# KiCad board WiRoc_NanoPi.kicad_pcb (continued)
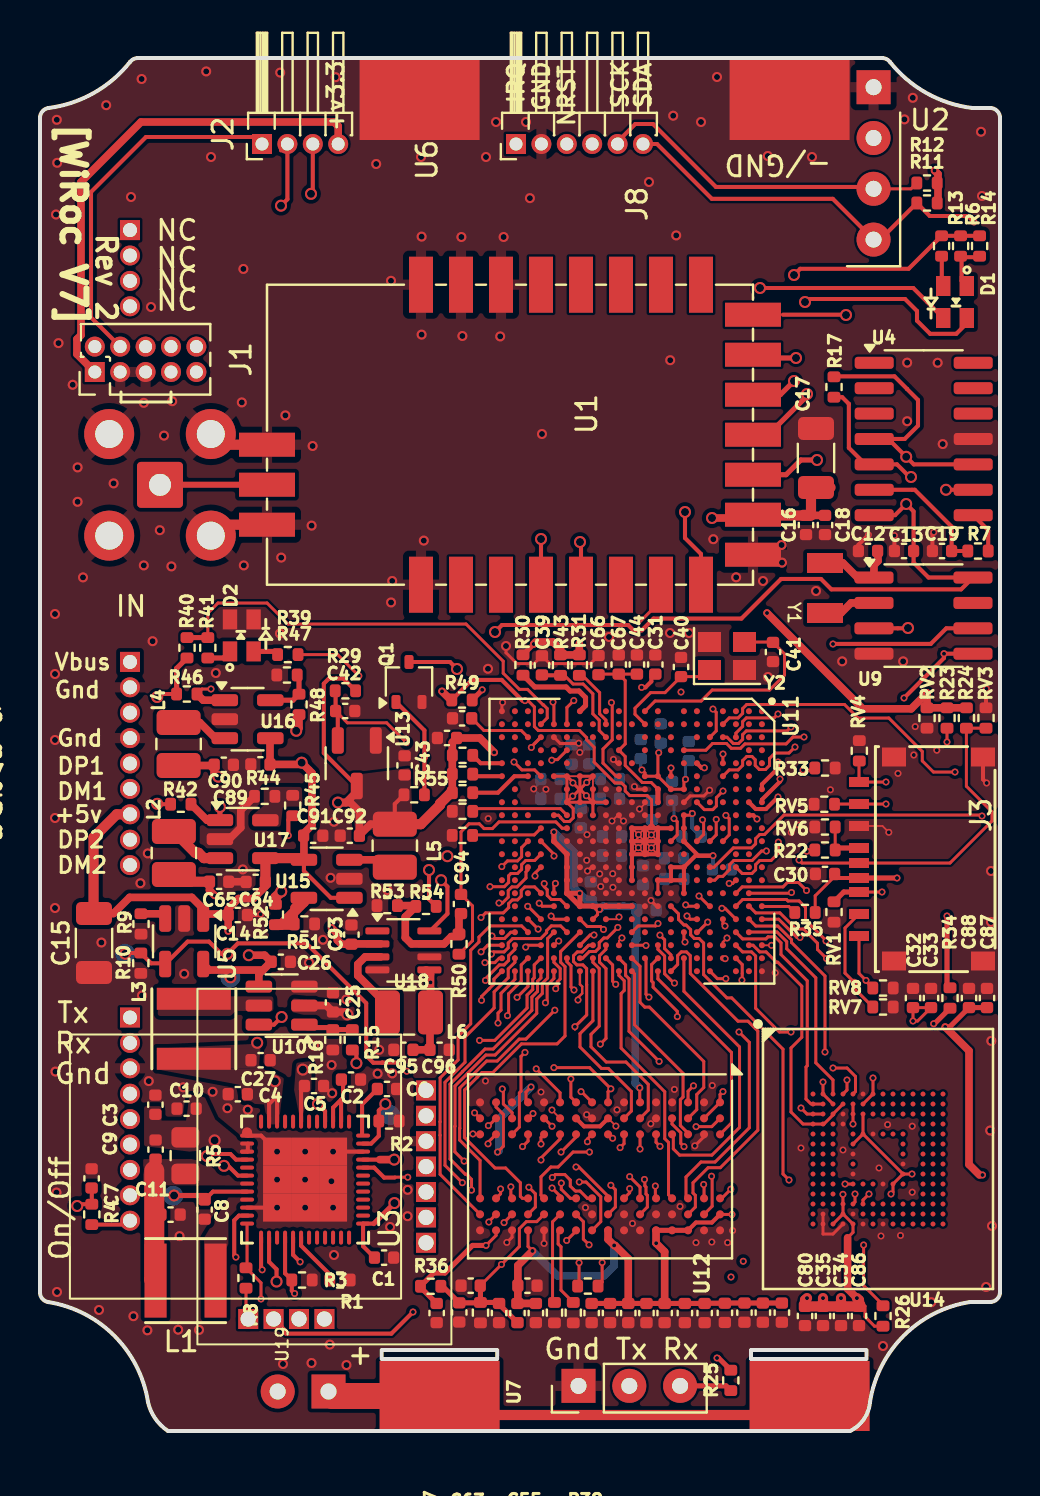
[diagram p0: board, top side]
## Routing (per net, layer and track width the routed paths; a pad name or vN(x,y) marks a point on that pad's centre or on a via; arc(x,y) is an arc through that point) (continued)
VDD1V1-EPHY: length 19.8
  Top w0.15: U11.F8 33.22,31.07 33.64,31.07 33.82,31.25 33.82,31.67 v2(34.15,32)
  Top w0.254: R49.2 22.11,37.05 v2(22.11,37.06)
  In2.Cu w0.254: v2(32.05,36.95) 34.67,34.33 34.67,32.52 v2(34.15,32)
  In4.Cu w0.203: v2(32.05,36.95) 31.93,36.83
  In4.Cu w0.254: v2(22.11,37.06) 22.7,37.65 28.8,37.65 29.82,36.64 31.74,36.64 31.93,36.83
VDD1V2-SYS: length 64.6
  Top w0.09: v2(29.93,29.81) 29.93,29.79 v2(30.57,29.15) ; v2(29.93,29.81) 29.6,30.14 U11.L10 ; v2(29.93,29.81) 29.93,29.82 U11.K10 30.57,29.82 v2(30.57,29.8) ; v2(29.93,29.81) 29.93,29.69 29.73,29.49 ; v2(29.92,29.16) 29.6,28.84 U11.L12 ; v2(29.92,29.16) 29.6,29.48 U11.L11 ; v2(29.92,29.16) 29.92,29.16 U11.K12 30.25,28.84 v2(30.57,29.15) ; v2(29.92,29.16) 30.56,29.8 v2(30.57,29.8) ; U11.J10 30.9,30.13 v2(30.57,29.8) ; v2(30.57,29.15) 30.57,29.16 U11.J11 30.88,29.49 v2(30.57,29.8) ; v2(30.57,29.15) 30.88,28.84 U11.J12
  Top w0.15: 30.58,30.45 30.58,30.33 30.77,30.14 U11.J10 ; 30.58,30.45 30.58,31.55 30.36,31.77 29.49,31.77 29.26,32 29.26,32.22 29.08,32.4 28.75,32.4 27.71,33.44 27.71,34.18 27.33,34.56 27.33,34.67 26.98,35.02 24.92,35.02 24.72,35.22 24.72,36.2 24.4,36.52 v2(24.25,36.52) ; 30.58,30.45 30.58,30.35 30.37,30.14 U11.K10
  Top w0.203: U11.L11 U11.L10 U11.K10 ; U11.L11 U11.L12 ; U11.L11 U11.J11 ; 30.41,28.84 U11.L12 ; 30.41,28.84 U11.K12 U11.K11 U11.K10 ; 30.41,28.84 U11.J12 U11.J11 ; U11.L12 U11.L13 U11.L14 ; v2(24.25,36.52) 24.12,36.52 23.08,37.56 21.6,37.56 R49.1 ; U11.K10 U11.J10 ; U11.J10 U11.H10 ; U11.J10 U11.J11
  Top w0.381: L4.2 8.67,33.28 C90.1 8.71,32.92 v4(8.91,32.72) ; v4(12.81,35.01) 12.95,35.15 R48.2 ; v2(20.1,36.98) 20.53,36.55 R49.1
  In2.Cu w0.203: v2(24.25,36.52) 24.26,36.51 24.93,36.51 25.52,35.92 25.87,35.92 26.18,36.23 26.18,36.65 26.5,36.97 29.17,36.97 29.17,33.44 29.06,33.33 29.06,31.31 v2(30.57,29.8)
  In2.Cu w0.381: v2(20.1,36.98) 17.53,36.98 15.56,35.01 v4(12.81,35.01) 12.81,34.16 11.37,32.72 v4(8.91,32.72)
VDD-CPUFB: length 12.7
  Top w0.12: 20.95,23.95 R50.2
  Top w0.15: U11.T10 26.11,30.14 25.79,30.45 22.95,30.45 22.62,30.12 22.2,30.12 21.96,30.36 21.45,30.36 21.05,29.96 C94.1 21.63,26.25 21.63,24.52 R50.2
  Top w0.381: 20.93,23.79 20.95,23.81 20.95,23.91
VDD-CPUS: length 9.7
  Top w0.15: C66.1 27.96,37.84 C67.1 ; C67.1 29.26,37.52 29.26,34.35 U11.M4 29.26,33.72 29.26,33.28 30.12,32.42 30.56,32.42 U11.J7 ; C67.1 C44.1
  Top w0.254: U11.J8 U11.J7
VDD-CPUX: length 34.8
  Top w0.09: U11.R6 U11.T6 ; U11.P7 U11.P6
  Top w0.15: U11.P8 U11.N8 ; U11.P8 U11.P7 ; U11.P8 27.64,31.44 v2(27.32,31.76) 27.32,31.77 U11.R7 ; U11.P8 U11.P9 ; U11.P8 U11.R8 ; U11.T8 U11.R8 ; U11.T8 26.66,31.12 26.66,30.66 26.48,30.47 26.22,30.47 26.03,30.66 26.03,30.68 25.92,30.79 U11.U9 ; U11.T8 26.35,31.45 v2(26.64,31.74) 26.65,31.74 U11.R7 ; U11.T8 U11.T7 U11.T6 ; U11.R8 U11.R7 ; U11.T6 26.65,32.44 v2(26.65,32.4) 26.96,32.09 U11.R7 ; U11.T6 U11.U6 ; U11.R7 27,32.09 v2(27.34,32.42) 27.34,32.43 U11.P6 U11.R6 U11.R7
  Top w0.381: 19.31,23.06 19.53,22.84 L6.2 19.5,20.91 C96.1 C95.1
  In4.Cu w0.203: 27.32,32.4 v2(26.65,32.4) 26.65,31.75 v2(26.64,31.74) 26.66,31.76 v2(27.32,31.76) 27.32,32.4 ; 27.32,32.4 v2(27.34,32.42)
  In4.Cu w0.381: v2(26.64,31.74) 26.1,31.74 25.52,31.16 24.92,31.16 21.16,27.4 21.16,25.97 19.53,24.34 v2(19.53,22.43)
VDD_5V: length 76.1
  Top w0.203: U17.1 14.54,26.66 13.2,28.01 U17.4
  Top w0.381: v2(14.57,25.16) 14.87,24.86 14.87,24.54 15.07,24.34 C93.1 15.59,24.36 17.03,24.36 ; C15.2 3.67,25.88 4.48,26.68 7.59,26.68 8.16,26.11 U5.1 8.39,25.85 9.27,25.85 ; U17.4 13.2,29.75 C91.1 13.18,29.87 13.6,30.29 13.6,32.9 13.17,33.33 C89.1 11.5,34.62 U16.4 ; C16.1 C18.1 ; U1.10 35.49,45.65 v4(33.6,45.65) ; 38.51,45.81 38.55,45.78 38.53,45.76 ; v2(9.41,25) C14.1 9.41,26.11 9.92,26.62 10.66,26.62 11.27,27.23 C64.1
  Top w0.508: U17.4 13.11,28.64 U15.4 11.27,27.46 C64.1 ; J10.7 3.84,30.84 2.68,29.68 2.68,25.9 C15.2 ; 39.53,47.17 38.8,47.17 38.55,46.92 38.55,45.78 35.69,45.78 U1.10
  In2.Cu w0.381: v2(9.41,25) 9.61,25.2 14.53,25.2 v2(14.57,25.16)
  In4.Cu w0.381: v4(13.08,33.42) 13.08,34.1 13.51,34.52 13.51,36.19 18.97,41.65 30.4,41.65 31.45,42.7 31.45,43.5 v4(33.6,45.65)
VDD_SYS_3.3V: length 302.2
  Top w0.09: U11.G11 32.2,29.58 ; 32.53,30.79 v2(32.62,30.87) ; 24.57,34.19 v2(24.57,34.18)
  Top w0.15: U14.N4 U14.P3 ; U14.N4 U14.P5 40.65,9.93 40.38,9.66 ; U14.N4 U14.M4 40.15,11.35 v2(40.15,11.84) ; U11.G11 U11.G10 U11.G9 32.53,30.79 ; C30.2 39.73,27.73 38.76,26.76 R35.2 ; v2(40.85,6.64) 41.25,6.24 41.25,5.72 41.73,5.24 R26.1 ; U19.1 10.3,5.71 R8.1 ; v2(32.62,30.87) 32.53,30.96 ; U14.J10 U14.K9 42.65,11.95 v2(42.55,11.85) ; U14.J10 v2(43.6,12.85) ; U14.J10 U14.E6 ; 24.71,34.35 U11.V3 24.57,34.21 ; U14.F5 U14.E6 ; U14.E6 U14.C6 ; U11.J6 U11.H7 U11.G7 32.2,32.5 v2(32.28,32.58) ; U11.J6 U11.K6 30.25,32.9 v2(30.1,33.05) ; U11.J6 30.9,33.87 v2(30.94,33.91) ; U11.J14 U11.J15 ; R43.2 26.03,38.97
  Top w0.203: R42.1 5.88,31.34 v4(5.86,31.36) ; U11.G13 32.77,28.76 v2(33.65,28.76) 32.92,28.76 U11.G11 ; U11.G13 U11.G14 ; U11.G13 U11.H13 U11.H14 ; R55.2 17.74,31.35 L5.2 ; U11.G14 U11.H14 ; U11.G14 U11.G15 ; U11.H14 U11.J14 ; v2(30.08,37.18) 30.27,37.18 30.57,37.47 30.57,37.85 ; v4(5.86,36.7) 6.01,36.85 R46.1 ; C30.2 39.93,27.65 J3.4 ; R29.1 15.17,37.62 14.44,37.62 14.19,37.37 14.19,33.9 U13.3 ; 24.27,38.81 24.28,38.8
  Top w0.254: R40.1 6.83,38.13 R46.1 ; R30.2 v2(24.69,39.35) ; v2(45.26,20.2) 45.48,20.2 C88.1 C87.1 ; J3.4 v2(42.85,27.65) ; 46.98,12.8 v2(47.13,12.8)
  Top w0.381: J1.1 1.85,53.84 1.85,54.59 2.05,54.79 2.05,62.45 5.05,65.45 14.7,65.45 14.91,65.24 J2.4 ; R11.2 44.9,61.44 44.9,62.85 v2(44.72,63.03) ; v2(36.35,40.9) 41.14,36.11 43.56,36.11 v2(44.35,36.9) RV2.1 R23.2 R24.2 ; U13.3 15.84,31.96 15.3,31.42 v4(14.9,31.42) 15.52,31.42 15.97,30.97 C92.1 15.97,29.78 16.52,30.34 L5.2 ; v2(45.26,20.2) 46.45,19.01 46.45,13.33 46.98,12.8 ; v2(40.85,6.64) 40.38,7.11 40.38,9.66 ; 10.5,5.79 10.5,5.3 ; R32.2 R27.1 R28.1 20.62,34.44 C71.1 21.99,34.65 v2(22.71,33.93) ; v2(24.69,39.35) 24.79,39.45 25.65,39.45 26.03,39.07 R43.2 R31.2 v2(26.97,39.36)
  Top w0.508: R32.2 20.54,31.91 20,31.37 20,31.3 19.04,30.34 L5.2 ; C34.1 C86.1 40.95,6.54 v2(40.85,6.64) ; C34.1 v2(40.05,6.64) ; C34.1 C35.1 ; C35.1 v2(39.15,6.64) ; C35.1 C80.1 38.25,6.54 v2(38.35,6.64) ; v4(12.06,26.97) 11.77,26.68 R52.2
  In2.Cu w0.15: v2(42.55,11.85) 42.05,11.35 40.45,11.35 40.15,11.65 v2(40.15,11.84)
  In2.Cu w0.203: 14,30.52 13.99,30.53 14,30.54 ; v2(24.69,39.35) 24.57,39.23
  In2.Cu w0.254: 46.92,12.85 46.97,12.8 v2(47.13,12.8)
  In2.Cu w0.381: J2.4 17.51,66.95 39.38,66.95 U2.2 42.58,63.75 44,63.75 v2(44.72,63.03) 45.15,62.6 45.15,61.3 44.29,60.44 44.29,49.36 44.38,49.26 44.38,45.9 43.98,45.5 43.98,40.53 44.35,40.16 v2(44.35,36.9) 44.35,34.43 44.23,34.31 44.23,29.03 v2(42.85,27.65) ; 14,30.52 14,30.09 12.06,28.15 v4(12.06,26.97) ; 14,30.54 14,30.9 14.52,31.42 v4(14.9,31.42) ; v4(5.86,36.7) v4(5.86,31.36) 6.72,30.5 13.96,30.5 13.99,30.53 ; v2(30.94,33.91) 30.08,34.77 v2(30.08,37.18) 27.9,39.36 v2(26.97,39.36) ; 24.57,39.23 23.71,38.37 23.71,35.03 v2(24.57,34.18) 22.96,34.18 v2(22.71,33.93) ; v2(43.6,12.85) 46.92,12.85
  In4.Cu w0.254: 42.69,27.81 v2(42.85,27.65) ; 32.6,30.86 v2(32.62,30.87)
  In4.Cu w0.381: v2(42.85,27.65) 42.85,23.08 45.26,20.68 v2(45.26,20.2) ; 32.6,30.86 32.59,30.84 32.59,29.83 v2(33.65,28.76) 35.79,28.76 36.57,27.99 42.51,27.99 42.69,27.81 ; 6.36,13.06 J4.7 ; 6.36,13.06 7.27,13.06 10.43,9.89 10.43,5.62 U19.1 ; 6.36,13.06 6.36,14.3 8.04,15.98 8.04,17.25 10.05,19.26 10.05,21.4 12.06,23.41 v4(12.06,26.97) ; v2(26.97,39.36) 27.08,39.25 34.7,39.25 v2(36.35,40.9) ; v2(32.28,32.58) 32.62,32.24 v2(32.62,30.87)
  Bottom w0.15: v2(30.94,33.91) 31.04,34.01 C68.1 ; v2(30.1,33.05) 30.04,33.11 C70.1 ; v2(32.28,32.58) 32.28,33.35 C45.1
  Bottom w0.203: v2(32.62,30.87) 32.62,30.16 C69.1 ; C37.1 33.65,28.12 v2(33.65,28.76)
  Bottom w0.254: 32.65,30.84 v2(32.62,30.87)
VINT: length 3.4
  Top w0.203: 15.05,16.57 14.65,16.17 U3.27 ; 15.05,16.57 15.15,16.67 15.15,17.49 C2.1 ; 15.05,16.57 U3.26
 GPIOA10/STATUS-LED: length 35.1
  Top w0.15: v2(15.94,37.76) 14.88,38.82 R39.2 ; v2(33.81,30.58) 33.81,29.8 U11.E11
  In4.Cu w0.15: v2(33.81,30.58) 33.81,30.49 34.12,30.18 36.03,30.18 37.42,31.57 37.42,33.53 32.26,38.69 16.88,38.69 v2(15.94,37.76)
/Processor-MEM/SA0: length 16.8
  Top w0.15: U11.T17 25.71,25.59 v2(25.56,25.74) ; U12.N3 24.4,14.49 v2(24.13,14.22)
  In2.Cu w0.15: v2(24.13,14.22) 24.13,15.15 22.27,17 22.07,17 21.77,17.3 21.77,17.5 21.26,18.02 21.26,22.18 22.07,22.99 22.42,22.99 24.48,25.05 24.48,25.27 24.96,25.74 v2(25.56,25.74)
/Processor-MEM/SA1: length 19.6
  Top w0.09: 25.39,24.63 U11.U18
  Top w0.15: v2(21.21,13.49) 20.74,13.96 20.74,15.23 20.75,15.24 20.75,17.25 21.37,17.87 21.37,17.88 22.29,18.8 22.76,18.8 24.84,20.88 24.84,21.6 25.12,21.88 25.12,22.38 25.38,22.65 25.38,24.62 U11.U18 ; v2(23.54,12.21) 23.54,11.69 U12.P7
  In2.Cu w0.09: v2(21.21,13.49) 21.7,13
  In2.Cu w0.15: 21.7,13 22.75,13 ; 21.7,13 22.75,13 ; 21.7,13 v2(21.21,13.49) ; 22.75,13 v2(23.54,12.21)
/Processor-MEM/SA2: length 11.3
  Top w0.15: v2(24.25,18.93) 24.05,18.73 24.05,16.99 23.97,16.9 23.97,15.2 U12.P3 ; v2(24.29,24.19) 24.38,24.29 U11.V19
  In2.Cu w0.15: v2(24.29,24.19) 23.24,23.15 23.24,21.61 23.87,20.97 23.87,19.31 v2(24.25,18.93)
/Processor-MEM/SA3: length 11.5
  Top w0.12: U12.N2 24.64,15.88 v2(24.65,15.88)
  Top w0.15: U11.V20 24.71,23.3 24.71,22.66 24.64,22.58 24.64,22.08 24.35,21.79 24.35,21.15 22.74,19.53 v2(21.98,19.53)
  In2.Cu w0.15: v2(24.65,15.88) 23.74,15.88 22.69,16.93 22.69,17.28 22.77,17.36 22.77,17.93 21.98,18.72 v2(21.98,19.53)
/Processor-MEM/SA4: length 16.6
  Top w0.09: v2(21.58,12.04) 21.58,12.2 ; U12.P8 23.6,10.82 ; 25.05,22.81 U11.V21
  Top w0.15: v2(23.2,10.42) 23.2,10.43 U12.P8 ; 21.58,12.2 21.58,12.58 21.32,12.84 21.26,12.84 20.5,13.6 20.5,17.34 21.13,17.97 21.13,17.98 22.25,19.1 22.66,19.1 24.59,21.03 24.59,21.7 24.88,21.98 24.88,22.48 25.05,22.65 U11.V21
  In2.Cu w0.15: v2(23.2,10.42) v2(21.58,12.04)
/Processor-MEM/SA5: length 10.7
  Top w0.09: 23.11,16.98 v2(23.11,17.1)
  Top w0.15: U11.Y19 23.75,24.08 23.43,23.77 23.43,23.53 23.21,23.3 22.97,23.3 22.27,22.61 v2(22.27,22.53) ; v2(23.11,17.1) 23.17,17.05 23.17,16.35 23.6,15.92 U12.P2
  In2.Cu w0.15: v2(22.27,22.53) 22.71,22.09 22.71,21.23 22.06,20.58 22.06,20.03 22.18,20.03 22.48,19.74 22.48,19.34 22.6,19.22 22.6,18.5 23.11,17.99 v2(23.11,17.1)
/Processor-MEM/SA6: length 20
  Top w0.09: 22.8,10.85 U12.R8 22.8,10.8 ; 23.75,23.43 U11.Y20 ; v2(21.12,12.41) 20.33,13.2
  Top w0.15: v2(22.44,10.45) 22.44,10.47 U12.R8 ; U11.Y20 23.75,23.43 23.41,23.1 23.41,22.66 22.71,21.96 22.71,21.15 21.25,19.7 21.25,18.44 20.25,17.44 20.25,13.28 v2(21.12,12.41)
  In2.Cu w0.09: v2(21.12,12.41) 21.12,11.74 22.43,10.43
  In2.Cu w0.15: v2(22.44,10.45) 21.12,11.77 v2(21.12,12.41)
/Processor-MEM/SA7: length 16.5
  Top w0.09: U12.R2 22.76,15.63
  Top w0.15: v2(22.05,25.67) 22.28,25.9 23.17,25.9 23.44,26.17 23.43,26.18 23.43,26.37 23.62,26.55 23.88,26.55 24.06,26.74 24.06,27.03 24.24,27.2 24.73,27.2 U11.V15 ; v2(22.42,15.27) 22.44,15.27 U12.R2
  In4.Cu w0.15: v2(22.05,25.67) 22.05,25.24 21.02,24.21 21.02,19.26 21.21,19.07 21.21,17.43 21.23,17.41 21.23,15.71 21.66,15.28 21.82,15.28 21.85,15.25 22.4,15.25 v2(22.42,15.27)
/Processor-MEM/SA8: length 18.3
  Top w0.15: U12.T8 20.01,12.83 20.01,14.78 20,14.79 20,15.46 20.01,15.47 20.01,17.66 20.91,18.56 20.91,19.73 21.54,20.36 21.54,24.04 21.95,24.45 21.95,24.7 22.5,25.25 24.08,25.25 U11.W18
/Processor-MEM/SA9: length 14.8
  Top w0.15: v2(22.4,14.36) 22.4,14.43 U12.R3 ; U11.Y18 23.54,24.94 23.23,24.62 22.73,24.62 v2(22.6,24.75)
  In4.Cu w0.15: v2(22.6,24.75) 23.04,24.31 23.04,22.69 22.38,22.03 21.87,22.03 21.58,21.74 21.58,20.64 22.48,19.74 22.48,18.83 21.69,18.04 21.69,17.63 21.77,17.54 21.77,17.3 22.02,17.05 22.02,16.27 22.84,15.44 22.84,14.8 v2(22.4,14.36)
/Processor-MEM/SA10: length 18.8
  Top w0.09: 26.9,23.95 27.06,23.95 27.4,24.29 U11.P19 ; v2(26.75,20.21) 26.75,20.05 ; 25.97,11.63 U12.L7
  Top w0.12: v2(25.6,12.15) 25.6,12.03
  Top w0.15: v2(26.75,20.21) 27.33,20.8 27.33,22.31 27.33,22.32 27.33,23.12 27.15,23.3 26.84,23.3 26.67,23.47 26.67,23.76 26.87,23.95 27.11,23.95 27.44,24.29 U11.P19 ; U12.L7 26,11.75 v2(25.6,12.15)
  In2.Cu w0.15: v2(25.6,12.15) 25.79,11.96 27.13,11.96 27.92,12.75 27.92,13.29 27.69,13.52 27.3,13.52 26.78,14.04 26.78,16.09 27.48,16.79 27.48,19.48 v2(26.75,20.21)
/Processor-MEM/SA11: length 18.5
  Top w0.15: v2(28.02,19.34) 28.3,19.63 28.3,23.12 27.98,23.44 27.98,23.76 28.3,24.08 U11.N19 ; U12.R7 23.03,11.86 v2(23.03,12.1)
  In2.Cu w0.15: v2(28.02,19.34) 27.82,19.15 27.82,14.2 28.16,13.86 28.16,12.66 27.23,11.72 23.41,11.72 v2(23.03,12.1)
/Processor-MEM/SA12: length 19
  Top w0.15: U12.N7 24.12,11.63 24.02,11.73 24.02,12.41 23.28,13.15 22.75,13.15 21.22,14.68 21.22,15.03 21.23,15.04 21.23,17.05 21.85,17.67 21.85,17.68 22.1,17.93 22.64,17.93 24.07,19.36 25.86,19.36 26.25,19.75 26.25,23.22 26.03,23.44 26.03,23.97 U11.R18
/Processor-MEM/SA13: length 17.4
  Top w0.09: U12.T3 21.98,14.85 v2(21.65,14.85)
  Top w0.15: v2(22.5,27.21) 23.22,27.21 23.43,27.43 23.43,27.76 23.54,27.87 23.88,27.87 24.08,28.08 24.08,28.32 24.29,28.52 24.73,28.52 U11.V12
  In4.Cu w0.15: v2(22.5,27.21) 21.63,26.34 21.63,25.5 21.65,25.47 20.78,24.6 20.78,15.72 v2(21.65,14.85)
/Processor-MEM/SA14: length 21.4
  Top w0.09: v2(28.95,25.7) 28.84,25.59 U11.N17 28.33,25.62
  Top w0.15: U12.T7 22,13.53 20.98,14.55 20.98,15.13 20.99,15.14 20.99,17.15 21.61,17.77 21.61,17.78 22.33,18.5 22.86,18.5 23.96,19.6 24.3,19.6 v2(25.74,21.04)
  In2.Cu w0.09: v2(25.74,21.04) 25.74,21.09 25.69,21.15
  In2.Cu w0.15: v2(25.74,21.04) 25.74,21.56 25.31,21.99 25.31,22.34 26.79,23.82 26.79,25.5 27.8,26.51 28.19,26.51 28.95,25.75 v2(28.95,25.7)
/Processor-MEM/SA15: length 17.1
  Top w0.09: U11.R17 27.02,25.59
  Top w0.15: U12.M7 25.05,11.79 25.05,12.71 25.54,13.2 25.91,13.2 26.65,13.95 v2(27.47,13.95) ; v2(28.17,25.08) 28.03,25.22 27.36,25.22 U11.R17
  In4.Cu w0.15: v2(27.47,13.95) 28.11,14.58 28.11,18.84 28.44,19.17 28.44,22 28.17,22.26 v2(28.17,25.08)
/Processor-MEM/SBA0: length 11.8
  Top w0.1: U11.W17 24.41,25.59
  Top w0.15: 24.41,25.59 v2(24.91,25.09) ; v2(25.6,15.24) 25.21,15.63 U12.M2
  In4.Cu w0.15: v2(25.6,15.24) 26.02,15.66 26.02,16.34 25.55,16.81 25.55,17.71 25.27,17.99 25.27,18.35 25.2,18.43 25.2,19.11 24.83,19.48 24.83,25.02 v2(24.91,25.09)
/Processor-MEM/SBA1: length 22.2
  Top w0.15: v2(24.44,12.19) 24.77,11.86 24.77,11.2 U12.N8 ; U11.T18 26.03,25.25 25.57,25.25 25.33,25.02 25.33,24.92 25.04,24.62 23.63,24.62 23.41,24.4 23.41,24.16 23.21,23.95 22.68,23.95 v2(22.57,23.84)
  In2.Cu w0.15: v2(24.44,12.19) 23.11,13.52 22.38,13.52 20.53,15.37 20.53,23.03 21.88,24.38 22.23,24.38 22.57,24.05 v2(22.57,23.84)
/Processor-MEM/SBA2: length 14.9
  Top w0.09: U12.M3 25.18,14.83
  Top w0.15: U11.V17 24.4,26.23 v2(24.39,26.23) ; v2(25.05,14.35) 25.05,14.68 U12.M3
  In4.Cu w0.15: v2(25.05,14.35) 23.81,15.59 23.81,17.78 24.75,18.72 24.75,19.14 24.59,19.29 24.59,21.99 23.86,22.72 23.86,25.71 v2(24.39,26.23)
/Processor-MEM/SCAS: length 16.9
  Top w0.09: 26.05,14.08 v2(26.05,13.95)
  Top w0.15: v2(25.77,27.38) 25.7,27.31 U11.U15 ; U12.K3 26.8,14.7 v2(26.05,13.95)
  In2.Cu w0.15: v2(25.77,27.38) 26.22,26.93 26.22,25.43 25.26,24.47 25.26,23.55 24.59,22.88 24.59,20.51 26.19,18.91 26.19,17.96 26.05,17.82 v2(26.05,13.95)
/Processor-MEM/SCKE0: length 16.5
  Top w0.09: 26.33,9.56 v2(26.33,9.53)
  Top w0.15: v2(22.08,21.53) 22.08,21.73 22.45,22.1 22.45,22.1 22.7,22.35 22.7,22.6 23.09,22.99 U11.AA21 ; U12.K9 26.8,10 v2(26.33,9.53)
  In4.Cu w0.15: v2(26.33,9.53) 24.02,11.84 24.02,12.33 23.63,12.72 23.63,14.88 23.25,15.26 23.25,16.26 22.69,16.82 22.69,17.38 22.87,17.56 22.87,19.35 22.72,19.5 22.72,19.84 22.4,20.15 22.4,21.21 v2(22.08,21.53)
/Processor-MEM/SCS0: length 9.8
  Top w0.09: v2(25.6,16.05) 25.6,16.04 U12.L2
  Top w0.15: v2(23.37,20.77) 23.43,20.82 23.43,21.86 24.06,22.49 24.06,23.3 U11.W20
  In2.Cu w0.15: v2(23.37,20.77) 23.37,18.94 24.63,17.68 25.07,17.68 25.6,17.15 v2(25.6,16.05)
/Processor-MEM/SODT0: length 16.7
  Top w0.15: U11.W11 24.08,29.17 24.08,28.71 23.87,28.5 23.37,28.5 v2(23.09,28.22) ; U12.K1 26.54,16.69 v2(26.54,17.6)
  In4.Cu w0.15: v2(23.09,28.22) 23.68,28.22 25.11,26.79 25.42,26.79 25.98,26.23 25.98,25.29 25.28,24.59 25.28,22 25.66,21.62 25.88,21.62 26.32,21.17 26.32,18.59 26.54,18.36 v2(26.54,17.6)
/Processor-MEM/SRAS: length 17.2
  Top w0.09: 27.6,14.78 U12.J3 ; v2(27.37,14.46) 27.37,14.55
  Top w0.15: U11.V13 24.75,27.89 v2(24.75,27.75) ; v2(27.37,14.46) 27.37,14.6 U12.J3
  In4.Cu w0.15: v2(24.75,27.75) 24.87,27.87 25.97,27.87 26.56,27.28 26.56,24.68 27.81,23.43 27.81,22.29 28.13,21.97 28.13,20.06 27.59,19.52 27.59,19.17 27.81,18.95 27.81,14.91 v2(27.37,14.46)
/Processor-MEM/SWE: length 19
  Top w0.09: U12.L3 26,14.75
  Top w0.1: U11.W13 24.4,28.13
  Top w0.12: U11.W13 24.31,28.1 ; 23.03,26.4 v2(22.95,26.4)
  Top w0.15: v2(22.95,26.4) 23.12,26.4 23.41,26.69 23.41,27.02 23.6,27.2 23.86,27.2 24.3,27.65 24.3,27.96 24.4,28.05 U11.W13 ; U12.L3 26,14.6 25.05,13.65 v2(25.05,13.55)
  In4.Cu w0.15: v2(25.05,13.55) 24.55,14.05 24.55,14.4 23.57,15.38 23.57,20.27 24.35,21.06 24.35,21.89 23.42,22.83 23.42,25.93 v2(22.95,26.4)
/Processor-MEM/ZQ: length 4.6
  Top w0.09: 25.7,6.45 R20.2
  Top w0.15: U12.L8 25.63,10.46 25.63,6.52 R20.2
/Processor-MEM/ZQ1: length 4
  Top w0.15: U12.L9 25.91,9.94 25.91,9.35 26.05,9.21 26.05,7.04 R21.2
AP-RESET: length 14.4
  Top w0.15: v2(18.32,34.42) 17.33,35.41 15.37,35.41 C42.1 ; v2(23.7,33.45) 24.1,33.05 24.73,33.05 U11.V6
  Top w0.203: U13.2 14.89,35.89 C42.1 14.78,36.99 R29.2
  In4.Cu w0.15: v2(18.32,34.42) 18.33,34.43 23.07,34.43 23.7,33.8 v2(23.7,33.45)
BAT: length 16.4
  Top w0.203: U3.39 10.1,13.97 ; 10.39,14.37 10.39,13.97 ; U3.42 9.9,12.77 9.41,13.26 v4(9.2,13.26)
  In2.Cu w0.508: v4(9.2,13.26) 9.2,14.06 v4(8.73,14.53)
  In2.Cu w0.8: 11.52,1.98 8.85,4.65 8.85,12.91 v4(9.2,13.26)
  In2.Cu w1.3: 11.52,1.98 SW1.2
eMMC-CLK: length 11.6
  Top w0.15: U14.M6 41.15,11.55 v2(41.45,11.85)
  Top w0.254: R34.2 44.72,20.36 v2(44.68,20.36)
  In2.Cu w0.254: v2(41.45,11.85) 44.71,15.11 44.71,20.34 v2(44.68,20.36)
eMMC-CMD: length 26.5
  Top w0.15: R26.2 42.15,6.3 41.18,7.27 v2(41.18,9.3) ; v2(32.95,26.75) 33.46,26.24 U11.E16 ; U14.M5 40.75,11.45 v2(40.75,11.85)
  In4.Cu w0.15: v2(32.95,26.75) 32.95,26.68 33.92,25.71 34.45,25.71 35.91,24.25 35.91,23.08 39.38,19.61 39.53,19.61 40.11,19.03 40.11,17.91 39.93,17.73 39.93,16.67 41.15,15.45 41.15,12.25 v2(40.75,11.85) 40.75,9.73 v2(41.18,9.3)
eMMC-D0: length 10.7
  Top w0.15: U11.B18 35.46,24.95 36.85,24.95 37.34,24.46 37.34,24.11 38.79,22.66 38.79,18.41 39.65,17.55 U14.A3
eMMC-D1: length 13.4
  Top w0.15: v2(40.35,17.55) 40.35,17.05 U14.A4 ; v2(34.1,26.13) 34.25,26.13 U11.C17 34.8,25.59
  In4.Cu w0.15: v2(34.1,26.13) 34.37,26.13 36.15,24.35 36.15,24.11 36.4,23.86 36.64,23.86 40.55,19.95 40.55,17.95 40.35,17.75 v2(40.35,17.55)
eMMC-D2: length 12.2
  Top w0.15: v2(34.25,25.25) 34.15,25.35 U11.D17 ; U14.A5 40.77,16.97 40.77,17.73 40.35,18.15 v2(39.65,18.15)
  In4.Cu w0.15: v2(34.25,25.25) 34.35,25.25 35.67,23.93 35.67,22.98 39.28,19.37 39.43,19.37 39.67,19.13 39.67,19.11 39.75,19.03 39.75,18.25 v2(39.65,18.15)
eMMC-D3: length 11.8
  Top w0.15: U14.B1 U14.B2 ; U11.C18 35.13,24.6 36.3,24.6 36.4,24.71 36.75,24.71 37.05,24.41 37.05,23.82 38.36,22.51 38.36,18.26 38.3,18.2 38.3,16.6 38.55,16.35
eMMC-D4: length 11.7
  Top w0.15: v2(39.15,17.45) U14.A2 U14.B3 ; v2(39.25,18.95) 39.25,22.75 37.58,24.42 37.58,24.56 36.89,25.25 35.79,25.25 U11.B17
  In4.Cu w0.15: v2(39.25,18.95) 39.15,18.85 v2(39.15,17.45)
eMMC-D5: length 13.3
  Top w0.15: U11.B19 35.65,24.29 35.99,23.95 36.31,23.95 36.82,23.44 36.89,23.44 38.09,22.24 38.09,19.69 37.55,19.15 37.55,15.95 38.15,15.35 U14.D1 U14.D2 39.2,15.35 39.65,15.8 U14.C3 U14.B4
eMMC-D6: length 15.8
  Top w0.15: 32.93,25.59 U11.F17 32.51,25.59 v2(32.35,25.75) ; U14.B5 U14.C5 v2(40.65,15.35)
  In4.Cu w0.15: v2(32.35,25.75) 33.99,24.11 34.46,24.11 34.76,23.82 34.76,23.56 38.25,20.06 38.25,17.75 v2(40.65,15.35)
eMMC-D7: length 12.6
  Top w0.15: v2(41.65,17.65) U14.A7 U14.B6 ; U11.C19 35.13,23.95 35.58,23.95 35.78,23.75 35.78,21.14 36.97,19.95 v2(37.55,19.95)
  In2.Cu w0.15: v2(41.65,17.65) 39.35,19.95 v2(37.55,19.95)
eMMC-RST: length 19.8
  Top w0.15: U11.H16 31.93,25.86 31.93,25.57 32.2,25.3 32.3,25.3 32.53,25.07 32.53,24.81 32.72,24.62 32.96,24.62 33.18,24.4 33.18,22.82 34.34,21.66 34.59,21.66 37.15,19.09 37.15,12.85 v2(37.45,12.55) ; U14.K5 v2(40.25,12.35)
  In4.Cu w0.15: v2(40.25,12.35) 37.65,12.35 v2(37.45,12.55)
EXTEN: length 33.2
  Top w0.15: v2(18.34,17.99) 18.28,17.99 17.85,18.42 ; 17.73,12.67 17.75,12.69 v2(18.39,12.69)
  Top w0.203: v4(12.08,20.7) 11.7,20.32 U10.6 ; 6.26,23.39 5.55,23.39 R10.2 4.3,23.9 v4(4.26,23.86) ; 17.85,18.42 17.11,18.42 17.1,18.41 16.67,18.41 16.31,18.77 16.31,21.39 13.32,24.38 9.89,24.38 v4(9.37,23.86) 9.06,23.86 8.45,24.47 7.38,24.47 U5.4 ; 17.73,12.67 17.21,12.67 16.71,13.17 U3.20
  In2.Cu w0.15: v2(18.39,12.69) 18.39,17.94 v2(18.34,17.99)
  In2.Cu w0.203: v4(9.37,23.86) 10.35,22.88 10.35,21.87 10.59,21.63 ; v4(12.08,20.7) 11.59,20.7 10.58,21.71
GPIOL6/CPUX-VSET: length 13
  Top w0.15: 25.58,33.57 25.88,33.57 U11.T4
  Top w0.203: R55.1 v2(19.22,33.68) 19.22,35.03 Q1.1
  In4.Cu w0.15: v2(19.22,33.68) 19.87,33.03 25.08,33.03 v2(25.59,33.54)
GPIOL8/PWR-STB: length 38.5
  Top w0.15: v2(8.55,37.1) 8.1,37.1 R46.2 ; v2(26.69,36.52) 26.35,36.18 U11.T2
  Top w0.203: 19.31,25.01 19.51,25.01 20.37,25.86 20.37,27.22 v4(20.05,27.54)
  Top w0.381: R46.2 8.16,36.54 U16.1
  In2.Cu w0.15: v2(8.55,37.1) 8.38,36.93 8.38,32.14 8.74,31.78 9.31,31.78 9.51,31.98 15.32,31.98 15.7,31.6 15.7,30.6 18.9,27.4 19.91,27.4 v4(20.05,27.54) 20.31,27.54 23.6,30.83 23.6,32.61 25.37,34.38 25.37,34.82 25.58,35.03 26.02,35.03 26.69,35.7 v2(26.69,36.52)
GPIOL9/PWR-DRAM: length 28.5
  Top w0.15: U11.M6 28.8,32.74 28.15,33.39 28.15,34.1 28.61,34.56 28.61,36.38 v2(28.57,36.42)
  Top w0.254: U15.1 v4(8.99,31.2)
  Top w0.381: R42.2 8.35,30.54 U15.1
  In4.Cu w0.15: v4(8.99,31.2) 9.25,31.45 12.65,31.45 17.15,35.95 25.76,35.95 25.9,36.09 26.89,36.09 26.91,36.11 28.26,36.11 v2(28.57,36.42)
GPIOL10/PWR-LED: length 22.9
  Top w0.15: R41.2 8.39,40.89 8.9,41.4 11.35,41.4 12.4,40.35 21.3,40.35 23.16,38.49 23.16,37.89 23.97,37.08 24.38,37.08 25.16,36.3 25.18,36.3 25.36,36.12 25.36,35.65 U11.V2
  Top w0.254: R40.2 R41.2
IPSOUT: length 47
  Top w0.203: 11.45,15.43 11.45,16.35 11.85,16.75 11.85,15.43 ; C8.2 8.65,11.97 U3.44 ; v4(8.35,13.75) 8.45,13.85 9.52,13.85 9.8,13.57 U3.40 ; U3.21 17.16,13.57 ; C1.1 16.15,9.24 U3.13 16.69,10.37
  Top w0.254: 8.35,11.77 v4(6.7,11.77) ; 16.69,10.37 v4(17.72,11.4)
  Top w0.381: v4(17.71,13.57) 16.99,13.57 ; U10.2 14.33,21.27 C25.1 15.24,20.95 v4(15.37,20.83)
  In2.Cu w0.203: 6.32,13.81 6.48,13.65 ; v4(6.7,11.77) 6.58,11.9
  In2.Cu w0.381: 6.48,13.65 8.25,13.65 v4(8.35,13.75)
  In2.Cu w0.508: v4(10.86,19.41) 12.02,19.41 13.44,20.83 v4(15.37,20.83) ; v4(17.72,11.4) 17.52,11.6 17.52,13.38 v4(17.71,13.57) ; 17.72,13.57 17.72,14.06 15.48,16.29 15.48,17 14.9,17.58 13.99,17.58 13.53,17.13 12.1,17.13 v4(11.74,17.48) 11.31,17.92 6.71,17.92 6.32,17.53 6.32,12.16 v4(6.7,11.77)
IRQ: length 79.4
  Top w0.15: U11.E13 33.7,28.19 34.67,29.15 35.58,29.15 35.78,29.36 35.78,29.62 35.99,29.82 36.23,29.82 37.2,30.8 47.05,30.8 v2(47.1,30.75) ; U3.48 10.35,8.21 R8.2 11.05,7.41 v2(11.05,6.6)
  In4.Cu w0.15: v2(47.1,30.75) 47.03,30.68 47.03,13.6 47.63,13.01 47.63,12.59 47.12,12.09 47.12,10.08 41.51,4.47 18.33,4.47 16.42,6.38 11.27,6.38 v2(11.05,6.6)
LDO1: length 82.1
  Top w0.203: R17.2 39.72,52.73 42.72,52.73 43.35,52.11 43.35,52.1 43.9,51.55 43.9,50.27 43.24,49.6 U4.4 ; U4.4 41.07,49.6 ; U4.4 40.97,49.6 ; U4.4 42.42,49.6 v4(43.31,48.71) 43.69,48.33 U4.10 ; U3.28 14.25,15.99 v4(13.9,16.35) ; v4(22.75,39.95) 23.1,40.3 29.4,40.3 29.67,40.03 30.09,40.03 30.68,40.62 35.07,40.62 37.05,42.6 39.05,42.6 39.57,42.08 46.06,42.08 U9.8 44.43,42.67 43.68,43.42 C13.1 43.68,45.98 v4(43.31,46.35) 42.75,45.79 U4.7
  Top w0.381: U4.7 41.25,45.79 ; 41.25,49.6 U4.4 42.17,49.6
  In2.Cu w0.203: v4(43.31,46.35) 42.8,46.86 42.8,48.2 v4(43.31,48.71) ; v4(22.75,39.95) 21.58,38.78 21.58,29.48 20.84,28.74 v4(20.37,28.74)
  In4.Cu w0.203: v4(13.9,16.35) 13.9,18.5 18.7,23.3 18.7,24.93 20.65,26.88 20.65,28.46 v4(20.37,28.74)
LORAAUX: length 23.8
  Top w0.15: U11.C3 34.8,34.89 35.13,35.23 35.13,35.47 35.32,35.65 36.7,35.65 v2(36.9,35.85)
  Top w0.254: v4(37.8,53.65) 36.67,53.65 36.51,53.81 U1.14
  In4.Cu w0.203: v2(36.9,35.85) 36.9,42.46 36.25,43.11 36.25,52.1 v4(37.8,53.65)
LORAEN: length 24.4
  Top w0.15: U11.D6 34.46,33.05 34.91,33.05 35.13,33.28 35.13,33.52 35.34,33.72 35.6,33.72 35.76,33.56 35.76,33.28 35.97,33.07 36.27,33.07 36.48,33.28 36.48,33.63 36.75,33.9 37.45,33.9 v2(37.75,34.2)
  Top w0.254: U1.11 37.3,47.81 38.04,48.55 v4(38.85,48.55)